# Allegro board SDHCalFEB.brd (continued)
## Routing (per net, layer and track width the routed paths; a pad name or vN(x,y) marks a point on that pad's centre or on a via; arc(x,y) is an arc through that point) (continued)
  GND3 w0.127: v4(222.2,232.2) v3(222.2,231.46)
GEM_OUT_F22: length 9.5
  TOP w0.127: R439.1 240.75,232.2 v2(239.83,232.2) 238.88,232.2 R1722.2
  GND1 w0.127: v3(239.09,232.2) v2(239.83,232.2)
  SIG3 w0.127: v3(239.09,232.2) v3(232.94,232.2)
  GND3 w0.127: v4(232.2,232.2) v3(232.94,232.2)
GEM_OUT_F23: length 3.5
  TOP w0.127: R440.1 242.21,230.73 v2(242.2,230.73) 242.19,230.74 R1709.2
  GND1 w0.127: v2(242.2,230.73) v3(242.2,231.46)
  GND3 w0.127: v4(242.2,232.2) v3(242.2,231.46)
GEM_OUT_F24: length 4
  TOP w0.127: R441.1 250.52,232.94 v2(251.46,232.94) 251.46,233.38 R1689.2
  GND1 w0.127: v3(252.2,232.94) v2(251.46,232.94)
  GND3 w0.127: v4(252.2,232.2) v3(252.2,232.94)
GEM_OUT_F25: length 23.4
  TOP w0.127: R1762.2 193.45,223.85 193.45,223.85 R442.1 v2(191.9,223.85)
  GND1 w0.127: v3(192.63,223.85) v2(191.9,223.85)
  SIG3 w0.127: v3(192.63,223.85) 200.74,223.85 202.39,222.2 v3(211.46,222.2)
  GND3 w0.127: v4(212.2,222.2) v3(211.46,222.2)
GEM_OUT_F26: length 11.8
  TOP w0.127: v2(193.24,222.26) R443.1 194.2,222.24 R1766.2
  GND1 w0.127: v3(193.98,222.26) v2(193.24,222.26)
  SIG3 w0.127: v3(193.98,222.26) 194.56,221.68 v3(201.68,221.68)
  GND3 w0.127: v4(202.2,222.2) v3(201.68,221.68)
GEM_OUT_F27: length 38
  TOP w0.127: R444.1 v2(256.57,236.8) R1754.2
  GND1 w0.127: v2(256.57,236.8) v3(256.57,236.07)
  SIG3 w0.127: v3(231.46,222.2) 232.13,222.2 236.52,226.59 253.54,226.59 256.57,229.62 v3(256.57,236.07)
  GND3 w0.127: v4(232.2,222.2) v3(231.46,222.2)
GEM_OUT_F28: length 3.5
  TOP w0.127: R445.1 242.94,221.46 v2(242.94,221.46) 242.93,221.47 R1750.2
  GND1 w0.127: v3(242.2,221.46) v2(242.94,221.46)
  GND3 w0.127: v4(242.2,222.2) v3(242.2,221.46)
GEM_OUT_F29: length 3.4
  TOP w0.127: R1746.2 252.41,221.46 v2(251.46,221.46) 251.46,221.46 R446.1
  GND1 w0.127: v3(251.46,222.2) v2(251.46,221.46)
  GND3 w0.127: v4(252.2,222.2) v3(251.46,222.2)
GEM_OUT_F30: length 3.5
  TOP w0.127: R1770.2 191.7,222.2 v2(190.73,222.2) 189.75,222.2 R447.1
  GND1 w0.127: v3(191.46,222.2) v2(190.73,222.2)
  GND3 w0.127: v4(192.2,222.2) v3(191.46,222.2)
GEM_OUT_F31: length 43.6
  TOP w0.127: R448.1 v2(182.37,226.36) 182.38,226.36 R1758.2
  GND1 w0.127: v2(182.37,226.36) v3(182.89,225.84)
  SIG3 w0.127: v3(182.89,225.84) 200.11,225.84 203.17,222.78 212.72,222.78 213.31,222.2 v3(221.46,222.2)
  GND3 w0.127: v4(222.2,222.2) v3(221.46,222.2)
GEM_OUT_F32: length 4
  TOP w0.127: R449.1 182.94,221.46 v2(182.94,221.46) 181.44,221.46 R1774.2
  GND1 w0.127: v3(182.2,221.46) v2(182.94,221.46)
  GND3 w0.127: v4(182.2,222.2) v3(182.2,221.46)
GEM_OUT_F33: length 3.9
  TOP w0.127: R450.1 182.2,214.64 v2(182.2,213.67) 180.74,213.67 R1806.2
  GND1 w0.127: v3(182.2,212.94) v2(182.2,213.67)
  GND3 w0.127: v4(182.2,212.2) v3(182.2,212.94)
GEM_OUT_F34: length 33.9
  TOP w0.127: R451.1 v2(183.18,207.95) R1794.2
  GND1 w0.127: v3(183.18,207.16) v2(183.18,207.95)
  SIG3 w0.127: v3(211.46,212.2) 203.28,212.2 200.08,208.99 185.01,208.99 v3(183.18,207.16)
  GND3 w0.127: v4(212.2,212.2) v3(211.46,212.2)
GEM_OUT_F35: length 3.5
  TOP w0.127: R1802.2 191.42,212.9 v2(190.73,212.2) 190.28,212.2 190.27,212.21 R452.1
  GND1 w0.127: v3(191.46,212.2) v2(190.73,212.2)
  GND3 w0.127: v4(192.2,212.2) v3(191.46,212.2)
GEM_OUT_F36: length 36.2
  TOP w0.127: R1790.2 190.91,207.74 v2(190.91,207.75) R453.1
  GND1 w0.127: v3(190.91,207.01) v2(190.91,207.75)
  SIG3 w0.127: v3(221.46,212.2) 220.77,211.51 204.22,211.51 199.72,207.01 v3(190.91,207.01)
  GND3 w0.127: v4(222.2,212.2) v3(221.46,212.2)
GEM_OUT_F37: length 3.4
  TOP w0.127: R454.1 252.2,210.73 v2(252.2,210.73) 252.2,209.76 R1778.2
  GND1 w0.127: v3(252.2,211.46) v2(252.2,210.73)
  GND3 w0.127: v4(252.2,212.2) v3(252.2,211.46)
GEM_OUT_F38: length 4
  TOP w0.127: R1782.2 243.61,211.25 243.67,211.31 v2(243.67,212.2) 244.64,212.2 R455.1
  GND1 w0.127: v3(242.94,212.2) v2(243.67,212.2)
  GND3 w0.127: v4(242.2,212.2) v3(242.94,212.2)
GEM_OUT_F39: length 18.5
  TOP w0.127: R456.1 v2(246.08,210.42) 246.07,210.42 R1786.2
  GND1 w0.127: v2(246.08,210.42) v3(246.08,211.16)
  SIG3 w0.127: v3(246.08,211.16) 242.66,211.16 242.16,211.66 232.01,211.66 v3(231.46,212.2)
  GND3 w0.127: v4(232.2,212.2) v3(231.46,212.2)
GEM_OUT_F40: length 8.1
  TOP w0.127: R1798.2 R457.1 197.87,209.35 v2(200.73,212.2)
  GND1 w0.127: v3(201.46,212.2) v2(200.73,212.2)
  GND3 w0.127: v4(202.2,212.2) v3(201.46,212.2)
GEM_OUT_F41: length 3.4
  TOP w0.127: R458.1 182.21,203.68 v2(182.2,203.67) 182.19,203.67 R1838.2
  GND1 w0.127: v3(182.2,202.94) v2(182.2,203.67)
  GND3 w0.127: v4(182.2,202.2) v3(182.2,202.94)
GEM_OUT_F42: length 36.7
  TOP w0.127: R459.1 v2(181.7,195.33) R1826.2
  GND1 w0.127: v2(181.7,195.33) v3(181.7,196.06)
  SIG3 w0.127: v3(181.7,196.06) 206.8,196.06 v3(212.2,201.46)
  GND3 w0.127: v4(212.2,202.2) v3(212.2,201.46)
GEM_OUT_F43: length 3.4
  TOP w0.127: R1869.2 179.73,192.2 v2(180.73,192.2) 181.7,192.2 R460.1
  GND1 w0.127: v3(181.46,192.2) v2(180.73,192.2)
  GND3 w0.127: v4(182.2,192.2) v3(181.46,192.2)
GEM_OUT_F44: length 4.3
  TOP w0.127: v2(192.2,200.73) 191.24,200.73 R461.1 R1834.2
  GND1 w0.127: v3(192.2,201.46) v2(192.2,200.73)
  GND3 w0.127: v4(192.2,202.2) v3(192.2,201.46)
GEM_OUT_F45: length 34.8
  TOP w0.127: R462.1 v2(194.25,193.75) R1822.2
  GND1 w0.127: v3(194.25,194.49) v2(194.25,193.75)
  SIG3 w0.127: v3(222.2,201.46) 215.22,194.49 v3(194.25,194.49)
  GND3 w0.127: v4(222.2,202.2) v3(222.2,201.46)
GEM_OUT_F46: length 3.4
  TOP w0.127: R1865.2 190.5,191.46 v2(191.46,191.46) 192.42,191.46 R463.1
  GND1 w0.127: v3(192.2,191.46) v2(191.46,191.46)
  GND3 w0.127: v4(192.2,192.2) v3(192.2,191.46)
GEM_OUT_F47: length 4
  TOP w0.127: R1810.2 R464.1 252.21,200.74 v2(252.2,200.73)
  GND1 w0.127: v3(252.2,201.46) v2(252.2,200.73)
  GND3 w0.127: v4(252.2,202.2) v3(252.2,201.46)
GEM_OUT_F48: length 4
  TOP w0.127: R1814.2 244.69,200.69 R465.1 243.69,202.18 v2(243.67,202.2)
  GND1 w0.127: v3(242.94,202.2) v2(243.67,202.2)
  GND3 w0.127: v4(242.2,202.2) v3(242.94,202.2)
GEM_OUT_F49: length 8.3
  TOP w0.127: R1818.2 R466.1 238.98,202.2 v2(238.02,202.2)
  GND1 w0.127: v3(237.29,202.2) v2(238.02,202.2)
  SIG3 w0.127: v3(232.94,202.2) v3(237.29,202.2)
  GND3 w0.127: v4(232.2,202.2) v3(232.94,202.2)
GEM_OUT_F50: length 3.5
  TOP w0.127: R467.1 202.2,199.75 v2(202.2,200.73) 202.18,200.74 R1830.2
  GND1 w0.127: v3(202.2,201.46) v2(202.2,200.73)
  GND3 w0.127: v4(202.2,202.2) v3(202.2,201.46)
GEM_OUT_F51: length 3.5
  TOP w0.127: R468.1 182.2,184.74 v2(182.2,183.74) 182.2,182.76 R1900.2
  GND1 w0.127: v3(182.2,183) v2(182.2,183.74)
  GND3 w0.127: v4(182.2,182.2) v3(182.2,183)
GEM_OUT_F52: length 3.9
  TOP w0.127: R1897.2 189.24,182.2 v2(190.73,182.2) 190.73,183.17 R469.1
  GND1 w0.127: v3(191.46,182.2) v2(190.73,182.2)
  GND3 w0.127: v4(192.2,182.2) v3(191.46,182.2)
GEM_OUT_F53: length 4
  TOP w0.127: v2(202.2,190.73) 202.2,189.73 R470.1 200.73,189.72 R1861.2
  GND1 w0.127: v3(202.2,191.46) v2(202.2,190.73)
  GND3 w0.127: v4(202.2,192.2) v3(202.2,191.46)
GEM_OUT_F54: length 4
  TOP w0.127: R471.1 199.74,182.2 v2(200.73,182.2) 200.73,180.7 R1893.2
  GND1 w0.127: v3(201.46,182.2) v2(200.73,182.2)
  GND3 w0.127: v4(202.2,182.2) v3(201.46,182.2)
GEM_OUT_F55: length 3.4
  TOP w0.127: R1889.2 210.73,182.19 v2(210.73,182.2) 209.76,182.2 R472.1
  GND1 w0.127: v3(211.46,182.2) v2(210.73,182.2)
  GND3 w0.127: v4(212.2,182.2) v3(211.46,182.2)
GEM_OUT_F56: length 4
  TOP w0.127: R1857.2 210.72,192.19 v2(210.73,192.2) 209.73,192.2 R473.1
  GND1 w0.127: v3(211.46,192.2) v2(210.73,192.2)
  GND3 w0.127: v4(212.2,192.2) v3(211.46,192.2)
GEM_OUT_F57: length 3.9
  TOP w0.127: R1885.2 220.73,180.72 v2(220.73,182.2) 220.72,182.21 R474.1
  GND1 w0.127: v3(221.46,182.2) v2(220.73,182.2)
  GND3 w0.127: v4(222.2,182.2) v3(221.46,182.2)
GEM_OUT_F58: length 3.5
  TOP w0.127: R1881.2 231.7,182.2 v2(230.73,182.2) 229.75,182.2 R475.1
  GND1 w0.127: v3(231.46,182.2) v2(230.73,182.2)
  GND3 w0.127: v4(232.2,182.2) v3(231.46,182.2)
GEM_OUT_F59: length 3.5
  TOP w0.127: R476.1 239.76,182.2 v2(240.73,182.2) 240.73,182.19 R1877.2
  GND1 w0.127: v3(241.46,182.2) v2(240.73,182.2)
  GND3 w0.127: v4(242.2,182.2) v3(241.46,182.2)
GEM_OUT_F60: length 3.4
  TOP w0.127: R1873.2 250.75,182.22 v2(250.73,182.2) 250.72,182.21 R477.1
  GND1 w0.127: v3(251.46,182.2) v2(250.73,182.2)
  GND3 w0.127: v4(252.2,182.2) v3(251.46,182.2)
GEM_OUT_F61: length 4
  TOP w0.127: R478.1 252.2,189.73 v2(252.2,190.73) 252.2,190.73 R1842.2
  GND1 w0.127: v3(252.2,191.46) v2(252.2,190.73)
  GND3 w0.127: v4(252.2,192.2) v3(252.2,191.46)
GEM_OUT_F62: length 4
  TOP w0.127: R479.1 242.2,189.74 v2(242.2,190.73) 243.69,190.73 R1845.2
  GND1 w0.127: v3(242.2,191.46) v2(242.2,190.73)
  GND3 w0.127: v4(242.2,192.2) v3(242.2,191.46)
GEM_OUT_F63: length 3.5
  TOP w0.127: R480.1 232.2,189.74 v2(232.2,190.73) 232.2,191.71 R1849.2
  GND1 w0.127: v3(232.2,191.46) v2(232.2,190.73)
  GND3 w0.127: v4(232.2,192.2) v3(232.2,191.46)
GEM_OUT_F64: length 3.4
  TOP w0.127: R481.1 221.7,192.2 v2(220.73,192.2) 220.73,192.21 220.05,192.89
  GND1 w0.127: v3(221.46,192.2) v2(220.73,192.2)
  GND3 w0.127: v4(222.2,192.2) v3(221.46,192.2)
GEM_OUT_G1: length 5.1
  TOP w0.127: R1669.2 173.18,240.73 v2(172.2,240.73) 172.2,238.1 R501.1
  GND1 w0.127: v3(172.2,241.46) v2(172.2,240.73)
  GND3 w0.127: v4(172.2,242.2) v3(172.2,241.46)
GEM_OUT_G2: length 3.6
  TOP w0.127: R502.1 172.2,254.76 v2(172.2,253.78) 172.2,252.78 R1651.2
  GND1 w0.127: v3(172.2,253.05) v2(172.2,253.78)
  GND3 w0.127: v4(172.2,252.2) v3(172.2,253.05)
GEM_OUT_G3: length 3.4
  TOP w0.127: R503.1 162.2,243.68 v2(162.2,243.67) 162.19,243.66 R1671.2
  GND1 w0.127: v3(162.2,242.94) v2(162.2,243.67)
  GND3 w0.127: v4(162.2,242.2) v3(162.2,242.94)
GEM_OUT_G4: length 1.5
  TOP w0.127: R1906.1 R504.1
GEM_OUT_G5: length 3.5
  TOP w0.127: R505.1 152.2,243.68 v2(152.2,243.67) 152.21,243.67 R1674.2
  GND1 w0.127: v3(152.2,242.94) v2(152.2,243.67)
  GND3 w0.127: v4(152.2,242.2) v3(152.2,242.94)
GEM_OUT_G6: length 4
  TOP w0.127: R1693.2 150.73,253.69 v2(150.73,252.2) 149.74,252.2 R506.1
  GND1 w0.127: v3(151.46,252.2) v2(150.73,252.2)
  GND3 w0.127: v4(152.2,252.2) v3(151.46,252.2)
GEM_OUT_G7: length 3.4
  TOP w0.127: R1677.2 142.2,243.67 v2(142.2,243.67) 142.19,243.68 R507.1
  GND1 w0.127: v3(142.2,242.94) v2(142.2,243.67)
  GND3 w0.127: v4(142.2,242.2) v3(142.2,242.94)
GEM_OUT_G8: length 4
  TOP w0.127: R1694.2 140.73,252.65 140.73,252.64 v2(140.73,252.2) 139.76,252.2 R508.1
  GND1 w0.127: v3(141.46,252.2) v2(140.73,252.2)
  GND3 w0.127: v4(142.2,252.2) v3(141.46,252.2)
GEM_OUT_G9: length 3.4
  TOP w0.127: R509.1 132.21,243.68 v2(132.2,243.67) 132.2,243.67 R1715.2
  GND1 w0.127: v3(132.2,242.94) v2(132.2,243.67)
  GND3 w0.127: v4(132.2,242.2) v3(132.2,242.94)
GEM_OUT_G10: length 3.4
  TOP w0.127: R510.1 132.2,253.67 v2(132.2,253.67) 132.2,252.7 R1659.2
  GND1 w0.127: v3(132.2,252.94) v2(132.2,253.67)
  GND3 w0.127: v4(132.2,252.2) v3(132.2,252.94)
GEM_OUT_G11: length 3.5
  TOP w0.127: R511.1 122.21,253.68 v2(122.2,253.67) 122.2,252.67 R1662.2
  GND1 w0.127: v3(122.2,252.94) v2(122.2,253.67)
  GND3 w0.127: v4(122.2,252.2) v3(122.2,252.94)
GEM_OUT_G12: length 3.4
  TOP w0.127: R1704.2 122.19,243.66 v2(122.2,243.67) R512.1
  GND1 w0.127: v3(122.2,242.94) v2(122.2,243.67)
  GND3 w0.127: v4(122.2,242.2) v3(122.2,242.94)
GEM_OUT_G13: length 4
  TOP w0.127: R1665.2 113.67,252.65 113.67,252.64 v2(113.67,252.2) 114.67,252.2 R513.1
  GND1 w0.127: v3(112.94,252.2) v2(113.67,252.2)
  GND3 w0.127: v4(112.2,252.2) v3(112.94,252.2)
GEM_OUT_G14: length 3.4
  TOP w0.127: R1713.2 102.19,250.73 v2(102.2,250.73) 102.2,249.78 R514.1
  GND1 w0.127: v3(102.2,251.46) v2(102.2,250.73)
  GND3 w0.127: v4(102.2,252.2) v3(102.2,251.46)
GEM_OUT_G15: length 3.9
  TOP w0.127: v2(123.67,232.2) 122.71,232.2 R515.1 122.7,232.8 122.69,232.82 R1735.2
  GND1 w0.127: v3(122.94,232.2) v2(123.67,232.2)
  GND3 w0.127: v4(122.2,232.2) v3(122.94,232.2)
GEM_OUT_G16: length 3.4
  TOP w0.127: R1683.2 113.67,242.19 v2(113.67,242.2) 113.68,242.21 R516.1
  GND1 w0.127: v3(112.94,242.2) v2(113.67,242.2)
  GND3 w0.127: v4(112.2,242.2) v3(112.94,242.2)
GEM_OUT_G17: length 3.5
  TOP w0.127: R1686.2 102.68,242.2 v2(103.67,242.2) 103.68,242.19 R517.1
  GND1 w0.127: v3(102.94,242.2) v2(103.67,242.2)
  GND3 w0.127: v4(102.2,242.2) v3(102.94,242.2)
GEM_OUT_G18: length 38.8
  TOP w0.127: R1731.2 98.82,239.64 v2(98.83,239.65) R518.1
  GND1 w0.127: v2(98.83,239.65) v3(99.57,239.65)
  SIG3 w0.127: v3(132.2,232.94) 125.49,239.65 v3(99.57,239.65)
  GND3 w0.127: v4(132.2,232.2) v3(132.2,232.94)
GEM_OUT_G19: length 3.4
  TOP w0.127: R519.1 112.7,232.2 v2(113.67,232.2) 113.68,232.2 R1739.2
  GND1 w0.127: v3(112.94,232.2) v2(113.67,232.2)
  GND3 w0.127: v4(112.2,232.2) v3(112.94,232.2)
GEM_OUT_G20: length 3.5
  TOP w0.127: R1743.2 102.19,233.68 v2(102.2,233.67) 102.21,233.68 R520.1
  GND1 w0.127: v3(102.2,232.94) v2(102.2,233.67)
  GND3 w0.127: v4(102.2,232.2) v3(102.2,232.94)
GEM_OUT_G21: length 45.2
  TOP w0.127: R521.1 v2(99.69,231.42) 99.69,231.43 R1727.2
  GND1 w0.127: v2(99.69,231.42) v3(100.43,231.42)
  SIG3 w0.127: v3(100.43,231.42) 100.48,231.46 v3(142.2,231.46)
  GND3 w0.127: v4(142.2,232.2) v3(142.2,231.46)
GEM_OUT_G22: length 9.8
  TOP w0.127: R522.1 160.11,232.19 v2(160.1,232.2) 159.15,232.2 R1723.2
  GND1 w0.127: v3(159.36,232.2) v2(160.1,232.2)
  SIG3 w0.127: v3(152.94,232.2) v3(159.36,232.2)
  GND3 w0.127: v4(152.2,232.2) v3(152.94,232.2)
GEM_OUT_G23: length 3.4
  TOP w0.127: R1719.2 162.19,230.74 v2(162.2,230.73) 162.21,230.73 R523.1
  GND1 w0.127: v3(162.2,231.46) v2(162.2,230.73)
  GND3 w0.127: v4(162.2,232.2) v3(162.2,231.46)
GEM_OUT_G24: length 3.9
  TOP w0.127: v2(171.46,232.94) 171.46,232.93 R524.1 170.48,233.51 170.47,233.52 R1717.2
  GND1 w0.127: v2(171.46,232.94) v3(172.2,232.94)
  GND3 w0.127: v4(172.2,232.2) v3(172.2,232.94)
GEM_OUT_G25: length 24.6
  TOP w0.127: v2(110.95,224.87) R525.1 113.21,224.87 R1763.2
  GND1 w0.127: v3(111.47,224.35) v2(110.95,224.87)
  SIG3 w0.127: v3(131.46,222.2) 122.1,222.2 119.94,224.35 v3(111.47,224.35)
  GND3 w0.127: v4(132.2,222.2) v3(131.46,222.2)
GEM_OUT_G26: length 12.1
  TOP w0.127: R1767.2 114.09,222.39 R526.1 v2(113.32,222.4)
  GND1 w0.127: v2(113.32,222.4) v3(113.32,221.67)
  SIG3 w0.127: v3(121.68,221.68) 113.33,221.68 v3(113.32,221.67)
  GND3 w0.127: v4(122.2,222.2) v3(121.68,221.68)
GEM_OUT_G27: length 30.8
  TOP w0.127: R527.1 v2(176.02,230.71) 176.02,230.7 R1755.2
  GND1 w0.127: v2(176.02,230.71) v3(175.29,230.71)
  SIG3 w0.127: v3(175.29,230.71) 171.22,230.71 164.52,224 155.3,224 154.69,223.39 153.39,223.39 v3(151.68,221.68)
  GND3 w0.127: v3(151.68,221.68) v4(152.2,222.2)
GEM_OUT_G28: length 3.9
  TOP w0.127: R528.1 163.9,221.46 v2(162.94,221.46) 162.94,221.02 R1751.2
  GND1 w0.127: v3(162.2,221.46) v2(162.94,221.46)
  GND3 w0.127: v4(162.2,222.2) v3(162.2,221.46)
GEM_OUT_G29: length 3.4
  TOP w0.127: R529.1 171.46,221.47 v2(171.46,221.46) 171.47,221.46 R1747.2
  GND1 w0.127: v3(172.2,221.46) v2(171.46,221.46)
  GND3 w0.127: v4(172.2,222.2) v3(172.2,221.46)
GEM_OUT_G30: length 3.5
  TOP w0.127: R1771.2 111.72,222.2 v2(110.73,222.2) R530.1
  GND1 w0.127: v3(111.46,222.2) v2(110.73,222.2)
  GND3 w0.127: v4(112.2,222.2) v3(111.46,222.2)
GEM_OUT_G31: length 45.9
  TOP w0.127: R531.1 v2(101.35,227.48) 100.43,227.48 100.43,227.49 R1759.2
  GND1 w0.127: v2(101.35,227.48) 101.8,227.94 v3(101.93,227.94)
  SIG3 w0.127: v3(101.93,227.94) 117.83,227.94 123,222.77 140.73,222.77 v3(141.3,222.2)
  GND3 w0.127: v4(142.2,222.2) v3(141.3,222.2)
GEM_OUT_G32: length 3.9
  TOP w0.127: R1775.2 102.47,221.44 102.49,221.46 v2(102.94,221.46) 102.94,220.5 R532.1
  GND1 w0.127: v3(102.2,221.46) v2(102.94,221.46)
  GND3 w0.127: v4(102.2,222.2) v3(102.2,221.46)
GEM_OUT_G33: length 4.1
  TOP w0.127: R533.1 102.2,214.81 v2(102.2,213.67) 101.27,213.67 101.26,213.69 R1807.2
  GND1 w0.127: v3(102.2,212.94) v2(102.2,213.67)
  GND3 w0.127: v4(102.2,212.2) v3(102.2,212.94)
GEM_OUT_G34: length 32.4
  TOP w0.127: R534.1 v2(103.43,208.11) 103.44,208.1 R1795.2
  GND1 w0.127: v2(103.43,208.11) v3(104.17,208.11)
  SIG3 w0.127: v3(131.46,212.2) 124.16,212.2 120.07,208.11 v3(104.17,208.11)
  GND3 w0.127: v4(132.2,212.2) v3(131.46,212.2)
GEM_OUT_G35: length 3.5
  TOP w0.127: R535.1 109.73,212.2 v2(110.73,212.2) 110.74,212.2 R1803.2
  GND1 w0.127: v3(111.46,212.2) v2(110.73,212.2)
  GND3 w0.127: v4(112.2,212.2) v3(111.46,212.2)
GEM_OUT_G36: length 36.1
  TOP w0.127: R536.1 v2(110.95,207.83) 111.92,207.83 R1791.2
  GND1 w0.127: v2(110.95,207.83) v3(110.95,207.09)
  SIG3 w0.127: v3(110.95,207.09) 120.91,207.09 124.89,211.07 140.34,211.07 v3(141.46,212.2)
  GND3 w0.127: v4(142.2,212.2) v3(141.46,212.2)
GEM_OUT_G37: length 3.5
  TOP w0.127: R1779.2 v2(173.67,212.2) 174.12,212.2 174.13,212.22 R537.1
  GND1 w0.127: v3(172.94,212.2) v2(173.67,212.2)
  GND3 w0.127: v4(172.2,212.2) v3(172.94,212.2)
GEM_OUT_G38: length 3.4
  TOP w0.127: R1783.2 163.67,212.2 v2(163.67,212.2) 163.69,212.22 R538.1
  GND1 w0.127: v3(162.94,212.2) v2(163.67,212.2)
  GND3 w0.127: v4(162.2,212.2) v3(162.94,212.2)
GEM_OUT_G39: length 23.4
  TOP w0.127: R539.1 v2(171.15,210.96) 171.15,211.41 171.15,211.41 R1787.2
  GND1 w0.127: v3(170.41,210.96) v2(171.15,210.96)
  SIG3 w0.127: v3(170.41,210.96) 169.74,211.63 163.18,211.63 163.17,211.63 162.7,211.63 162.7,211.63 152.03,211.63 v3(151.46,212.2)
  GND3 w0.127: v4(152.2,212.2) v3(151.46,212.2)
GEM_OUT_G40: length 7.7
  TOP w0.127: v2(120.73,212.2) 118.08,209.55 R540.1 R1799.2
  GND1 w0.127: v3(121.46,212.2) v2(120.73,212.2)
  GND3 w0.127: v4(122.2,212.2) v3(121.46,212.2)
GEM_OUT_G41: length 4
  TOP w0.127: R541.1 102.18,203.69 v2(102.2,203.67) 102.18,203.66 R1839.2
  GND1 w0.127: v3(102.2,202.94) v2(102.2,203.67)
  GND3 w0.127: v4(102.2,202.2) v3(102.2,202.94)
GEM_OUT_G42: length 36.9
  TOP w0.127: R542.1 v2(101.52,195.33) R1827.2
  GND1 w0.127: v3(101.52,196.06) v2(101.52,195.33)
  SIG3 w0.127: v3(132.2,201.46) 126.8,196.06 v3(101.52,196.06)
  GND3 w0.127: v4(132.2,202.2) v3(132.2,201.46)
GEM_OUT_G43: length 3.5
  TOP w0.127: R1870.2 99.72,192.2 v2(100.73,192.2) 101.72,192.2 R543.1
  GND1 w0.127: v3(101.46,192.2) v2(100.73,192.2)
  GND3 w0.127: v4(102.2,192.2) v3(101.46,192.2)
GEM_OUT_G44: length 3.9
  TOP w0.127: R1835.2 R544.1 112.2,200.73 v2(112.2,200.73)
  GND1 w0.127: v3(112.2,201.46) v2(112.2,200.73)
  GND3 w0.127: v4(112.2,202.2) v3(112.2,201.46)
GEM_OUT_G45: length 34.9
  TOP w0.127: R1823.2 v2(114.04,194.06) R545.1
  GND1 w0.127: v3(114.04,194.79) v2(114.04,194.06)
  SIG3 w0.127: v3(114.04,194.79) 135.53,194.79 v3(142.2,201.46)
  GND3 w0.127: v4(142.2,202.2) v3(142.2,201.46)
GEM_OUT_G46: length 3.5
  TOP w0.127: R546.1 112.44,191.46 v2(111.46,191.46) 110.47,191.46 R1866.2
  GND1 w0.127: v3(112.2,191.46) v2(111.46,191.46)
  GND3 w0.127: v4(112.2,192.2) v3(112.2,191.46)
GEM_OUT_G47: length 3.4
  TOP w0.127: R1811.2 173.66,202.21 v2(173.67,202.2) 173.68,202.21 R547.1
  GND1 w0.127: v3(172.94,202.2) v2(173.67,202.2)
  GND3 w0.127: v4(172.2,202.2) v3(172.94,202.2)
GEM_OUT_G48: length 3.4
  TOP w0.127: R1815.2 163.66,202.21 v2(163.67,202.2) 163.68,202.21 R548.1
  GND1 w0.127: v3(162.94,202.2) v2(163.67,202.2)
  GND3 w0.127: v4(162.2,202.2) v3(162.94,202.2)
GEM_OUT_G49: length 7.8
  TOP w0.127: R1819.2 R549.1 158.49,202.2 v2(157.53,202.2)
  GND1 w0.127: v3(156.79,202.2) v2(157.53,202.2)
  SIG3 w0.127: v3(152.94,202.2) v3(156.79,202.2)
  GND3 w0.127: v4(152.2,202.2) v3(152.94,202.2)
GEM_OUT_G50: length 3.5
  TOP w0.127: R1831.2 122.2,200.73 v2(122.2,200.73) R550.1
  GND1 w0.127: v3(122.2,201.46) v2(122.2,200.73)
  GND3 w0.127: v4(122.2,202.2) v3(122.2,201.46)
GEM_OUT_G51: length 3.4
  TOP w0.127: R1901.2 102.2,182.71 v2(102.2,183.67) 102.2,184.66 R551.1
  GND1 w0.127: v3(102.2,182.94) v2(102.2,183.67)
  GND3 w0.127: v4(102.2,182.2) v3(102.2,182.94)
GEM_OUT_G52: length 4
  TOP w0.127: R1898.2 109.18,182.2 v2(110.73,182.2) 110.73,183.19 R552.1
  GND1 w0.127: v3(111.46,182.2) v2(110.73,182.2)
  GND3 w0.127: v4(112.2,182.2) v3(111.46,182.2)
GEM_OUT_G53: length 4
  TOP w0.127: v2(122.2,190.73) R553.1 120.72,189.72 R1862.2
  GND1 w0.127: v3(122.2,191.46) v2(122.2,190.73)
  GND3 w0.127: v4(122.2,192.2) v3(122.2,191.46)
GEM_OUT_G54: length 4
  TOP w0.127: R554.1 119.76,182.2 v2(120.73,182.2) R1894.2
  GND1 w0.127: v3(121.46,182.2) v2(120.73,182.2)
  GND3 w0.127: v4(122.2,182.2) v3(121.46,182.2)
GEM_OUT_G55: length 3.5
  TOP w0.127: R1890.2 131.72,182.2 v2(130.73,182.2) 129.73,182.2 R555.1
  GND1 w0.127: v3(131.46,182.2) v2(130.73,182.2)
  GND3 w0.127: v4(132.2,182.2) v3(131.46,182.2)
GEM_OUT_G56: length 3.9
  TOP w0.127: R1858.2 130.73,190.75 v2(130.73,192.2) 129.78,192.2 R556.1
  GND1 w0.127: v3(131.46,192.2) v2(130.73,192.2)
  GND3 w0.127: v4(132.2,192.2) v3(131.46,192.2)
GEM_OUT_G57: length 3.9
  TOP w0.127: R557.1 139.76,182.2 v2(140.73,182.2) 140.73,180.76 R1886.2
  GND1 w0.127: v3(141.46,182.2) v2(140.73,182.2)
  GND3 w0.127: v4(142.2,182.2) v3(141.46,182.2)
GEM_OUT_G58: length 3.4
  TOP w0.127: R1882.2 151.71,182.2 v2(150.73,182.2) 149.77,182.2 R558.1
  GND1 w0.127: v3(151.46,182.2) v2(150.73,182.2)
  GND3 w0.127: v4(152.2,182.2) v3(151.46,182.2)
GEM_OUT_G59: length 3.4
  TOP w0.127: R1878.2 161.69,182.2 v2(160.73,182.2) 159.76,182.2 R559.1
  GND1 w0.127: v3(161.46,182.2) v2(160.73,182.2)
  GND3 w0.127: v4(162.2,182.2) v3(161.46,182.2)
GEM_OUT_G60: length 3.4
  TOP w0.127: R1874.2 171.7,182.2 v2(170.73,182.2) 169.76,182.2 R560.1
  GND1 w0.127: v3(171.46,182.2) v2(170.73,182.2)
  GND3 w0.127: v4(172.2,182.2) v3(171.46,182.2)
GEM_OUT_G61: length 3.9
  TOP w0.127: R561.1 172.2,189.77 v2(172.2,190.73) 173.68,190.73 R1843.2
  GND1 w0.127: v3(172.2,191.46) v2(172.2,190.73)
  GND3 w0.127: v4(172.2,192.2) v3(172.2,191.46)
GEM_OUT_G62: length 4
  TOP w0.127: R1846.2 163.7,190.73 v2(162.2,190.73) 162.2,189.76 R562.1
  GND1 w0.127: v3(162.2,191.46) v2(162.2,190.73)
  GND3 w0.127: v4(162.2,192.2) v3(162.2,191.46)
GEM_OUT_G63: length 3.4
  TOP w0.127: R563.1 152.2,189.76 v2(152.2,190.73) 152.2,191.69 R1850.2
  GND1 w0.127: v3(152.2,191.46) v2(152.2,190.73)
  GND3 w0.127: v4(152.2,192.2) v3(152.2,191.46)
GEM_OUT_G64: length 3.5
  TOP w0.127: R564.1 141.69,192.2 v2(140.73,192.2) 140.73,192.23 R1854.2
  GND1 w0.127: v3(141.46,192.2) v2(140.73,192.2)
  GND3 w0.127: v4(142.2,192.2) v3(141.46,192.2)
GEM_OUT_H1: length 5.1
  TOP w0.127: R1712.2 93.17,240.73 v2(92.2,240.73) 92.2,238.68 92.19,238.67 R584.1
  GND1 w0.127: v3(92.2,241.46) v2(92.2,240.73)
  GND3 w0.127: v4(92.2,242.2) v3(92.2,241.46)
GEM_OUT_H2: length 3.4
  TOP w0.127: R1691.2 92.19,253.67 v2(92.2,253.67) 92.19,253.68 R585.1
  GND1 w0.127: v3(92.2,252.94) v2(92.2,253.67)
  GND3 w0.127: v4(92.2,252.2) v3(92.2,252.94)
GEM_OUT_H3: length 3.4
  TOP w0.127: R586.1 82.19,243.68 v2(82.2,243.67) 82.2,243.67 R1698.2
  GND1 w0.127: v3(82.2,242.94) v2(82.2,243.67)
  GND3 w0.127: v4(82.2,242.2) v3(82.2,242.94)
GEM_OUT_H4: length 1.5
  TOP w0.127: R587.1 R1907.1
GEM_OUT_H5: length 3.4
  TOP w0.127: R1670.2 72.2,243.67 v2(72.2,243.67) 72.19,243.69 R588.1
  GND1 w0.127: v3(72.2,242.94) v2(72.2,243.67)
  GND3 w0.127: v4(72.2,242.2) v3(72.2,242.94)
GEM_OUT_H6: length 3.9
  TOP w0.127: R589.1 69.76,252.2 v2(70.73,252.2) 70.73,252.64 70.72,252.65 R1656.2
  GND1 w0.127: v3(71.46,252.2) v2(70.73,252.2)
  GND3 w0.127: v4(72.2,252.2) v3(71.46,252.2)
GEM_OUT_H7: length 3.5
  TOP w0.127: R1672.2 62.2,242.7 v2(62.2,243.67) 62.18,243.69 R590.1
  GND1 w0.127: v3(62.2,242.94) v2(62.2,243.67)
  GND3 w0.127: v4(62.2,242.2) v3(62.2,242.94)
GEM_OUT_H8: length 4
  TOP w0.127: R1658.2 60.71,252.66 60.73,252.64 v2(60.73,252.2) 60.71,252.19 R591.1
  GND1 w0.127: v3(61.46,252.2) v2(60.73,252.2)
  GND3 w0.127: v4(62.2,252.2) v3(61.46,252.2)
GEM_OUT_H9: length 3.4
  TOP w0.127: R1714.2 52.19,243.66 v2(52.2,243.67) 52.2,243.68 R592.1
  GND1 w0.127: v3(52.2,242.94) v2(52.2,243.67)
  GND3 w0.127: v4(52.2,242.2) v3(52.2,242.94)
GEM_OUT_H10: length 3.4
  TOP w0.127: R593.1 52.2,253.68 v2(52.2,253.67) 52.19,253.66 R1660.2
  GND1 w0.127: v3(52.2,252.94) v2(52.2,253.67)
  GND3 w0.127: v4(52.2,252.2) v3(52.2,252.94)
GEM_OUT_H11: length 3.5
  TOP w0.127: R594.1 42.2,253.68 v2(42.2,253.67) 42.2,252.68 R1663.2
  GND1 w0.127: v3(42.2,252.94) v2(42.2,253.67)
  GND3 w0.127: v4(42.2,252.2) v3(42.2,252.94)
GEM_OUT_H12: length 3.4
  TOP w0.127: R1706.2 42.21,243.67 v2(42.2,243.67) 42.21,243.69 R595.1
  GND1 w0.127: v3(42.2,242.94) v2(42.2,243.67)
  GND3 w0.127: v4(42.2,242.2) v3(42.2,242.94)
GEM_OUT_H15: length 4
  TOP w0.127: R1720.2 43.67,233.69 v2(43.67,232.2) 43.67,232.21 R598.1
  GND1 w0.127: v3(42.94,232.2) v2(43.67,232.2)
  GND3 w0.127: v4(42.2,232.2) v3(42.94,232.2)
GEM_OUT_H18: length 25.9
  TOP w0.127: R601.1 v2(32.92,241.15) 32.92,241.59 32.92,241.6 R1718.2
  GND1 w0.127: v3(32.92,240.41) v2(32.92,241.15)
  SIG3 w0.127: v3(32.92,240.41) 40.39,232.94 v3(52.2,232.94)
  GND3 w0.127: v4(52.2,232.2) v3(52.2,232.94)
GEM_OUT_H21: length 39.5
  TOP w0.127: R604.1 v2(30.33,242.27) 30.33,242.27 R1687.2
  GND1 w0.127: v3(30.33,241.53) v2(30.33,242.27)
  SIG3 w0.127: v3(30.33,241.53) 40.39,231.46 v3(62.2,231.46)
  GND3 w0.127: v4(62.2,232.2) v3(62.2,231.46)
